# Allegro board 8880F5-0827_6.brd (continued)
## Nets (continued)
N26486548: UNK2K23.5 UNK2R50.1
N26486550: UNK2K24.3 UNK2R51.2
N26486551: UNK2K24.4 UNK2R52.1
N26486552: UNK2K24.6 UNK2R53.2
N26486553: UNK2K24.5 UNK2R54.1
N26486568: UNK2K22.3 UNK2R102.2
N26486569: UNK2K22.4 UNK2R103.1
N26486570: UNK2K27.3 UNK2R104.2
N26486571: UNK2K27.4 UNK2R105.1
N26486686: S2_RST_N.2 UNK2J1.2 UNK2K10.4 UNK2R85.2
N26486691: UNK2C7.1 UNK2J1.1
N26486726: UNK2K17.3 UNK2R71.2
N26486727: UNK2K17.4 UNK2R72.1
N26486728: UNK2K17.5 UNK2R74.1
N26486729: UNK2K17.6 UNK2R73.2
N26486730: UNK2K21.3 UNK2R75.2
N26486731: UNK2K21.4 UNK2R76.1
N26486732: UNK2K21.5 UNK2R78.1
N26486733: UNK2K21.6 UNK2R77.2
N26486734: UNK2K29.3 UNK2R79.2
N26486735: UNK2K29.4 UNK2R80.1
N26486736: UNK2K29.6 UNK2R43.2
N26486737: UNK2K29.5 UNK2R44.1
N26486738: UNK2K30.3 UNK2R63.2
N26486739: UNK2K30.4 UNK2R64.1
N26486740: UNK2K30.5 UNK2R101.1
N26486741: UNK2K30.6 UNK2R100.2
N26486822: UNK2K16.3 UNK2R67.2
N26486823: UNK2K16.4 UNK2R68.1
N26486824: UNK2K16.5 UNK2R70.1
N26486825: UNK2K16.6 UNK2R69.2
N26486847: UNK2K6.5 UNK2R30.1
N26486849: UNK2K6.3 UNK2R27.2
N26486850: UNK2K6.4 UNK2R28.1
N26486851: UNK2K6.6 UNK2R29.2
N26486852: UNK2K7.5 UNK2R34.1
N26486854: UNK2K7.3 UNK2R31.2
N26486855: UNK2K7.4 UNK2R32.1
N26486856: UNK2K7.6 UNK2R33.2
N26486898: UNK2K11.3 UNK2R39.2
N26486899: UNK2K11.4 UNK2R40.1
N26486900: UNK2K8.5 UNK2R38.1
N26486902: UNK2K8.6 UNK2R37.2
N26486903: UNK2K11.6 UNK2R41.2
N26486904: UNK2K11.5 UNK2R42.1
N26486946: UNK2K5.5 UNK2R26.1
N26486948: UNK2K5.3 UNK2R23.2
N26486949: UNK2K5.4 UNK2R24.1
N26486950: UNK2K5.6 UNK2R25.2
N26486971: UNK2K3.5 UNK2R18.1
N26486972: UNK2K3.6 UNK2R17.2
N26486973: UNK2K3.4 UNK2R16.1
N26486974: UNK2K3.3 UNK2R15.2
N26486977: UNK2K1.5 UNK2R10.1
N26486978: UNK2K1.6 UNK2R9.2
N26486979: UNK2K1.4 UNK2R8.1
N26486980: UNK2K1.3 UNK2R7.2
N26486982: UNK2K2.3 UNK2R11.2
N26486983: UNK2K2.4 UNK2R12.1
N26486984: UNK2K4.5 UNK2R22.1
N26486986: UNK2K4.3 UNK2R19.2
N26486987: UNK2K4.4 UNK2R20.1
N26486988: UNK2K4.6 UNK2R21.2
N26486989: UNK2K2.5 UNK2R14.1
N26486990: UNK2K2.6 UNK2R13.2
N26487176: UNK2K12.4 UNK2R131.1
N26487178: UNK2K12.5 UNK2R132.1
N26487182: UNK2K33.2 UNK2R82.1
N26487183: UNK2K33.4 UNK2R117.1
N26487190: UNK2K18.4 UNK2R5.1 UNK2R6.2
N26487192: UNK2K18.5 UNK2R6.1 UNK2R133.1
N26487193: UNK2C5.1 UNK2R133.2 UNK2Y1.1 UNK2Y2.1
N26487194: UNK2C6.1 UNK2R5.2 UNK2Y1.3 UNK2Y2.3
N26487223: UNK2K13.5 UNK2R120.2
N26487224: UNK2K13.4 UNK2R119.2
N26487285: UNK2J5.1 UNK2K28.5 UNK2R84.2
N26487289: UNK2J4.1 UNK2K28.4 UNK2R83.2
N26491412: UNK2J2.1 UNK2R89.1
N26491416: UNK2J3.1 UNK2R96.1
N26491418: UNK2J3.3 UNK2R93.1
N26491425: UNK2R90.1 UNK2U1.7
N26491450: UNK2J2.2 UNK2U1.3
N26491459: UNK2R97.1 UNK2U2.7
N26491486: UNK2J3.2 UNK2U2.3
N26491497: UNK2J2.3 UNK2R86.1
N26492255: UNK2CA21.1 UNK2K34.5
N26492261: UNK2CA23.1 UNK2K36.5 UNK2K36.8
N26492266: UNK2CA24.1 UNK2K37.5
N26492386: UNK2CA29.1 UNK2K42.5
N26492392: UNK2CA26.1 UNK2K39.5
N26492464: UNK2CA34.1 UNK2K31.5
N26492470: UNK2CA27.1 UNK2K40.5
N26492603: UNK2CA37.1 UNK2K39.8
N26492609: UNK2CA40.1 UNK2K42.8
N26492613: UNK2CA28.1 UNK2K40.8
N26492615: UNK2CA25.1 UNK2K37.8
N26492621: UNK2CA22.1 UNK2K34.8
N26495382: UNK3K25.3 UNK3R55.2
N26495383: UNK3K25.4 UNK3R56.1
N26495384: UNK3K25.6 UNK3R57.2
N26495385: UNK3K25.5 UNK3R58.1
N26495387: UNK3K26.3 UNK3R59.2
N26495388: UNK3K26.4 UNK3R60.1
N26495389: UNK3K26.6 UNK3R61.2
N26495390: UNK3K26.5 UNK3R62.1
N26495392: UNK3K27.5 UNK3R66.1
N26495393: UNK3K27.6 UNK3R65.2
N26495400: UNK3K22.6 UNK3R45.2
N26495401: UNK3K22.5 UNK3R46.1
N26495402: UNK3K23.3 UNK3R47.2
N26495403: UNK3K23.4 UNK3R48.1
N26495404: UNK3K23.6 UNK3R49.2
N26495405: UNK3K23.5 UNK3R50.1
N26495407: UNK3K24.3 UNK3R51.2
N26495408: UNK3K24.4 UNK3R52.1
N26495409: UNK3K24.6 UNK3R53.2
N26495410: UNK3K24.5 UNK3R54.1
N26495425: UNK3K22.3 UNK3R102.2
N26495426: UNK3K22.4 UNK3R103.1
N26495427: UNK3K27.3 UNK3R104.2
N26495428: UNK3K27.4 UNK3R105.1
N26495543: S3_RST_N.2 UNK3J1.2 UNK3K10.4 UNK3R85.2
N26495548: UNK3C7.1 UNK3J1.1
N26495583: UNK3K17.3 UNK3R71.2
N26495584: UNK3K17.4 UNK3R72.1
N26495585: UNK3K17.5 UNK3R74.1
N26495586: UNK3K17.6 UNK3R73.2
N26495587: UNK3K21.3 UNK3R75.2
N26495588: UNK3K21.4 UNK3R76.1
N26495589: UNK3K21.5 UNK3R78.1
N26495590: UNK3K21.6 UNK3R77.2
N26495591: UNK3K29.3 UNK3R79.2
N26495592: UNK3K29.4 UNK3R80.1
N26495593: UNK3K29.6 UNK3R43.2
N26495594: UNK3K29.5 UNK3R44.1
N26495595: UNK3K30.3 UNK3R63.2
N26495596: UNK3K30.4 UNK3R64.1
N26495597: UNK3K30.5 UNK3R101.1
N26495598: UNK3K30.6 UNK3R100.2
N26495679: UNK3K16.3 UNK3R67.2
N26495680: UNK3K16.4 UNK3R68.1
N26495681: UNK3K16.5 UNK3R70.1
N26495682: UNK3K16.6 UNK3R69.2
N26495704: UNK3K6.5 UNK3R30.1
N26495706: UNK3K6.3 UNK3R27.2
N26495707: UNK3K6.4 UNK3R28.1
N26495708: UNK3K6.6 UNK3R29.2
N26495709: UNK3K7.5 UNK3R34.1
N26495711: UNK3K7.3 UNK3R31.2
N26495712: UNK3K7.4 UNK3R32.1
N26495713: UNK3K7.6 UNK3R33.2
N26495755: UNK3K11.3 UNK3R39.2
N26495756: UNK3K11.4 UNK3R40.1
N26495757: UNK3K8.5 UNK3R38.1
N26495759: UNK3K8.6 UNK3R37.2
N26495760: UNK3K11.6 UNK3R41.2
N26495761: UNK3K11.5 UNK3R42.1
N26495803: UNK3K5.5 UNK3R26.1
N26495805: UNK3K5.3 UNK3R23.2
N26495806: UNK3K5.4 UNK3R24.1
N26495807: UNK3K5.6 UNK3R25.2
N26495828: UNK3K3.5 UNK3R18.1
N26495829: UNK3K3.6 UNK3R17.2
N26495830: UNK3K3.4 UNK3R16.1
N26495831: UNK3K3.3 UNK3R15.2
N26495834: UNK3K1.5 UNK3R10.1
N26495835: UNK3K1.6 UNK3R9.2
N26495836: UNK3K1.4 UNK3R8.1
N26495837: UNK3K1.3 UNK3R7.2
N26495839: UNK3K2.3 UNK3R11.2
N26495840: UNK3K2.4 UNK3R12.1
N26495841: UNK3K4.5 UNK3R22.1
N26495843: UNK3K4.3 UNK3R19.2
N26495844: UNK3K4.4 UNK3R20.1
N26495845: UNK3K4.6 UNK3R21.2
N26495846: UNK3K2.5 UNK3R14.1
N26495847: UNK3K2.6 UNK3R13.2
N26496033: UNK3K12.4 UNK3R131.1
N26496035: UNK3K12.5 UNK3R132.1
N26496039: UNK3K33.2 UNK3R82.1
N26496040: UNK3K33.4 UNK3R117.1
N26496047: UNK3K18.4 UNK3R5.1 UNK3R6.2
N26496049: UNK3K18.5 UNK3R6.1 UNK3R133.1
N26496050: UNK3C5.1 UNK3R133.2 UNK3Y1.1 UNK3Y2.1
N26496051: UNK3C6.1 UNK3R5.2 UNK3Y1.3 UNK3Y2.3
N26496080: UNK3K13.5 UNK3R120.2
N26496081: UNK3K13.4 UNK3R119.2
N26496142: UNK3J5.1 UNK3K28.5 UNK3R84.2
N26496146: UNK3J4.1 UNK3K28.4 UNK3R83.2
N26500269: UNK3J2.1 UNK3R89.1
N26500273: UNK3J3.1 UNK3R96.1
N26500275: UNK3J3.3 UNK3R93.1
N26500282: UNK3R90.1 UNK3U1.7
N26500307: UNK3J2.2 UNK3U1.3
N26500316: UNK3R97.1 UNK3U2.7
N26500343: UNK3J3.2 UNK3U2.3
N26500354: UNK3J2.3 UNK3R86.1
N26501112: UNK3CA21.1 UNK3K34.5
N26501118: UNK3CA23.1 UNK3K36.5 UNK3K36.8
N26501123: UNK3CA24.1 UNK3K37.5
N26501243: UNK3CA29.1 UNK3K42.5
N26501249: UNK3CA26.1 UNK3K39.5
N26501321: UNK3CA34.1 UNK3K31.5
N26501327: UNK3CA27.1 UNK3K40.5
N26501460: UNK3CA37.1 UNK3K39.8
N26501466: UNK3CA40.1 UNK3K42.8
N26501470: UNK3CA28.1 UNK3K40.8
N26501472: UNK3CA25.1 UNK3K37.8
N26501478: UNK3CA22.1 UNK3K34.8
N26504239: UNK4K25.3 UNK4R55.2
N26504240: UNK4K25.4 UNK4R56.1
N26504241: UNK4K25.6 UNK4R57.2
N26504242: UNK4K25.5 UNK4R58.1
N26504244: UNK4K26.3 UNK4R59.2
N26504245: UNK4K26.4 UNK4R60.1
N26504246: UNK4K26.6 UNK4R61.2
N26504247: UNK4K26.5 UNK4R62.1
N26504249: UNK4K27.5 UNK4R66.1
N26504250: UNK4K27.6 UNK4R65.2
N26504257: UNK4K22.6 UNK4R45.2
N26504258: UNK4K22.5 UNK4R46.1
N26504259: UNK4K23.3 UNK4R47.2
N26504260: UNK4K23.4 UNK4R48.1
N26504261: UNK4K23.6 UNK4R49.2
N26504262: UNK4K23.5 UNK4R50.1
N26504264: UNK4K24.3 UNK4R51.2
N26504265: UNK4K24.4 UNK4R52.1
N26504266: UNK4K24.6 UNK4R53.2
N26504267: UNK4K24.5 UNK4R54.1
N26504282: UNK4K22.3 UNK4R102.2
N26504283: UNK4K22.4 UNK4R103.1
N26504284: UNK4K27.3 UNK4R104.2
N26504285: UNK4K27.4 UNK4R105.1
N26504400: S4_RST_N.2 UNK4J1.2 UNK4K10.4 UNK4R85.2
N26504405: UNK4C7.1 UNK4J1.1
N26504440: UNK4K17.3 UNK4R71.2
N26504441: UNK4K17.4 UNK4R72.1
N26504442: UNK4K17.5 UNK4R74.1
N26504443: UNK4K17.6 UNK4R73.2
N26504444: UNK4K21.3 UNK4R75.2
N26504445: UNK4K21.4 UNK4R76.1
N26504446: UNK4K21.5 UNK4R78.1
N26504447: UNK4K21.6 UNK4R77.2
N26504448: UNK4K29.3 UNK4R79.2
N26504449: UNK4K29.4 UNK4R80.1
N26504450: UNK4K29.6 UNK4R43.2
N26504451: UNK4K29.5 UNK4R44.1
N26504452: UNK4K30.3 UNK4R63.2
N26504453: UNK4K30.4 UNK4R64.1
N26504454: UNK4K30.5 UNK4R101.1
N26504455: UNK4K30.6 UNK4R100.2
N26504536: UNK4K16.3 UNK4R67.2
N26504537: UNK4K16.4 UNK4R68.1
N26504538: UNK4K16.5 UNK4R70.1
N26504539: UNK4K16.6 UNK4R69.2
N26504561: UNK4K6.5 UNK4R30.1
N26504563: UNK4K6.3 UNK4R27.2
N26504564: UNK4K6.4 UNK4R28.1
N26504565: UNK4K6.6 UNK4R29.2
N26504566: UNK4K7.5 UNK4R34.1
N26504568: UNK4K7.3 UNK4R31.2
N26504569: UNK4K7.4 UNK4R32.1
N26504570: UNK4K7.6 UNK4R33.2
N26504612: UNK4K11.3 UNK4R39.2
N26504613: UNK4K11.4 UNK4R40.1
N26504614: UNK4K8.5 UNK4R38.1
N26504616: UNK4K8.6 UNK4R37.2
N26504617: UNK4K11.6 UNK4R41.2
N26504618: UNK4K11.5 UNK4R42.1
N26504660: UNK4K5.5 UNK4R26.1
N26504662: UNK4K5.3 UNK4R23.2
N26504663: UNK4K5.4 UNK4R24.1
N26504664: UNK4K5.6 UNK4R25.2
N26504685: UNK4K3.5 UNK4R18.1
N26504686: UNK4K3.6 UNK4R17.2
N26504687: UNK4K3.4 UNK4R16.1
N26504688: UNK4K3.3 UNK4R15.2
N26504691: UNK4K1.5 UNK4R10.1
N26504692: UNK4K1.6 UNK4R9.2
N26504693: UNK4K1.4 UNK4R8.1
N26504694: UNK4K1.3 UNK4R7.2
N26504696: UNK4K2.3 UNK4R11.2
N26504697: UNK4K2.4 UNK4R12.1
N26504698: UNK4K4.5 UNK4R22.1
N26504700: UNK4K4.3 UNK4R19.2
N26504701: UNK4K4.4 UNK4R20.1
N26504702: UNK4K4.6 UNK4R21.2
N26504703: UNK4K2.5 UNK4R14.1
N26504704: UNK4K2.6 UNK4R13.2
N26504890: UNK4K12.4 UNK4R131.1
N26504892: UNK4K12.5 UNK4R132.1
N26504896: UNK4K33.2 UNK4R82.1
N26504897: UNK4K33.4 UNK4R117.1
N26504904: UNK4K18.4 UNK4R5.1 UNK4R6.2
N26504906: UNK4K18.5 UNK4R6.1 UNK4R133.1
N26504907: UNK4C5.1 UNK4R133.2 UNK4Y1.1 UNK4Y2.1
N26504908: UNK4C6.1 UNK4R5.2 UNK4Y1.3 UNK4Y2.3
N26504937: UNK4K13.5 UNK4R120.2
N26504938: UNK4K13.4 UNK4R119.2
N26504999: UNK4J5.1 UNK4K28.5 UNK4R84.2
N26505003: UNK4J4.1 UNK4K28.4 UNK4R83.2
N26509126: UNK4J2.1 UNK4R89.1
N26509130: UNK4J3.1 UNK4R96.1
N26509132: UNK4J3.3 UNK4R93.1
N26509139: UNK4R90.1 UNK4U1.7
N26509164: UNK4J2.2 UNK4U1.3
N26509173: UNK4R97.1 UNK4U2.7
N26509200: UNK4J3.2 UNK4U2.3
N26509211: UNK4J2.3 UNK4R86.1
N26509969: UNK4CA21.1 UNK4K34.5
N26509975: UNK4CA23.1 UNK4K36.5 UNK4K36.8
N26509980: UNK4CA24.1 UNK4K37.5
N26510100: UNK4CA29.1 UNK4K42.5
N26510106: UNK4CA26.1 UNK4K39.5
N26510178: UNK4CA34.1 UNK4K31.5
N26510184: UNK4CA27.1 UNK4K40.5
N26510317: UNK4CA37.1 UNK4K39.8
N26510323: UNK4CA40.1 UNK4K42.8
N26510327: UNK4CA28.1 UNK4K40.8
N26510329: UNK4CA25.1 UNK4K37.8
N26510335: UNK4CA22.1 UNK4K34.8

Pads without a net: CSDPS225 A17 B17 C17 D17; CSDPS229 A17 B17 C17 D17; CSDPS425 A17 B17 C17 D17; CSDPS429 A17 B17 C17 D17; D101/D501 A1 A2 A3 A4 A5 A6 A7 A8 A9 A10 A11 A12 A13 A14 A15 A16 A17 B1 B2 B3 B4 B5 B6 B7 B8 B9 B10 B11 B12 B13 B14 B15 B16 B17 C1 C2 C3 C4 C5 C6 C7 C8 C9 C10 C11 C12 C13 C14 C15 C16 C17 D2 D3 D4 D5 D6 D7 D8 D9 D10 D11 D12 D13 D14 D15 D16; D102 17 A17 B17; D103 17 A17 B17; D104 17 A17 B17; D105/D505 A1 A2 A3 A4 A5 A6 A7 A8 A9 A10 A11 A12 A13 A14 A15 A16 A17 B1 B2 B3 B4 B5 B6 B7 B8 B9 B10 B11 B12 B13 B14 B15 B16 B17 C1 C2 C3 C4 C5 C6 C7 C8 C9 C10 C11 C12 C13 C14 C15 C16 C17 D2 D3 D4 D5 D6 D7 D8 D9 D10 D11 D12 D13 D14 D15 D16; D106 17 A17 B17; D107 17 A17 B17; D108 17 A17 B17; D109 17 A17 B17; D110 17 A17 B17; D111 17 A17 B17; D112 17 A17 B17; D113 17 A17 B17; D114 17 A17 B17; D115 17 A17 B17; D116 17 A17 B17; D117/D517 A1 A2 A3 A4 A5 A6 A7 A8 A9 A10 A11 A12 A13 A14 A15 A16 A17 B1 B2 B3 B4 B5 B6 B7 B8 B9 B10 B11 B12 B13 B14 B15 B16 B17 C1 C2 C3 C4 C5 C6 C7 C8 C9 C10 C11 C12 C13 C14 C15 C16 C17 D2 D3 D4 D5 D6 D7 D8 D9 D10 D11 D12 D13 D14 D15 D16; D118 17 A17 B17; D119 17 A17 B17; D120 17 A17 B17; D121/D521 A1 A2 A3 A4 A5 A6 A7 A8 A9 A10 A11 A12 A13 A14 A15 A16 A17 B1 B2 B3 B4 B5 B6 B7 B8 B9 B10 B11 B12 B13 B14 B15 B16 B17 C1 C2 C3 C4 C5 C6 C7 C8 C9 C10 C11 C12 C13 C14 C15 C16 C17 D2 D3 D4 D5 D6 D7 D8 D9 D10 D11 D12 D13 D14 D15 D16; D122 17 A17 B17; D123 17 A17 B17; D124 17 A17 B17; D125 17 A17 B17; D126 17 A17 B17; D127 17 A17 B17; D128 17 A17 B17; D129 17 A17 B17; D130 17 A17 B17; D131 17 A17 B17; D132 17 A17 B17; D301 17 A17 B17; D302 17 A17 B17; D305 17 A17 B17; D306 17 A17 B17; D309 A1 A3 A5 A7 A9 A11 A13 A15 A17 B1 B2 B3 B4 B5 B6 B7 B8 B9 B10 B11 B12 B13 B14 B15 B16 B17 C1 C2 C3 C4 C5 C6 C7 C8 C9 C10 C11 C12 C13 C14 C15 C16 C17 D2 D4 D6 D8 D10 D12 D14 D16; D313 A1 A3 A5 A7 A9 A11 A13 A15 A17 B1 B2 B3 B4 B5 B6 B7 B8 B9 B10 B11 B12 B13 B14 B15 B16 B17 C1 C2 C3 C4 C5 C6 C7 C8 C9 C10 C11 C12 C13 C14 C15 C16 C17 D2 D4 D6 D8 D10 D12 D14 D16; D317 17 A17 B17; D318 17 A17 B17; D321 17 A17 B17; D322 17 A17 B17; DPS1 A04 A08 A10 A14 B04 B08 B10 B14 C04 C08 C10 C14; DPS2 A04 A08 A10 A14 B04 B08 B10 B14 C04 C08 C10 C14; DPS3 A04 A08 A10 A14 B04 B08 B10 B14 C04 C08 C10 C14; DPS8 A04 A08 A10 A14 B04 B08 B10 B14 C04 C08 C10 C14; FD1 1; FD2 1; FD3 1; FD4 1; FD5 1; FD6 1; FD7 1; FD8 1; FD9 1; FD10 1; FD11 1; FD12 1; FD13 1; FD14 1; FD15 1; FD16 1; HX8880-F05 1; JG_220919AA01 1; JG_220919AA02 1; K1 2 7; K2 2 7; K3 2 7; K4 2 7; K5 2 7; K6 2 7; K7 2 7; K8 2 3 4 7; K10 2 5 6 7; K11 2 7; K12 2 7; K13 2 7; K16 2 7; K17 2 7; K21 2 7; K22 2 7; K23 2 7; K24 2 7; K25 2 7; K26 2 7; K27 2 7; K28 2 7; K29 2 7; K30 2 7; K31 3 8 9 10; K33 5 6 7; K34 3 10; K36 3 10; K37 3 10; K39 3 10; K40 3 10; K42 3 10; LOGO1 1; LOGO2 1; LQFP176-20X20-P0.4 1; S1_I2C 3; S2_I2C 3; S3_I2C 3; S4_I2C 3; SITE1 NUT1 NUT2 NUT3 NUT4; SITE2 NUT1 NUT2 NUT3 NUT4; SITE3 NUT1 NUT2 NUT3 NUT4; SITE4 NUT1 NUT2 NUT3 NUT4; SKB NUT1 NUT2 NUT3 NUT4; TPL1 1; TPL2 1; TPL3 1; TPL4 1; TPL5 1; TPL6 1; TPL7 1; TPL8 1; TPL9 1; TPL10 1; TPL11 1; TPL12 1; TPL13 1; TPL14 1; TPL15 1; TPL16 1; TPL17 1; TPL18 1; TPL19 1; TPL20 1; TPL21 1; TPL22 1; TPL23 1; TPL24 1; TPL25 1; TPL26 1; TPL27 1; TPL28 1; TPL29 1; TPL30 1; TPL31 1; TPL32 1; TPL33 1; TPL34 1; TPL35 1; TPL36 1; TPL37 1; TPL38 1; TPL39 1; TPL40 1; UF1 1; UF2 1; UNK2K1 2 7; UNK2K2 2 7; UNK2K3 2 7; UNK2K4 2 7; UNK2K5 2 7; UNK2K6 2 7; UNK2K7 2 7; UNK2K8 2 3 4 7; UNK2K10 2 5 6 7; UNK2K11 2 7; UNK2K12 2 7; UNK2K13 2 7; UNK2K16 2 7; UNK2K17 2 7; UNK2K21 2 7; UNK2K22 2 7; UNK2K23 2 7; UNK2K24 2 7; UNK2K25 2 7; UNK2K26 2 7; UNK2K27 2 7; UNK2K28 2 7; UNK2K29 2 7; UNK2K30 2 7; UNK2K31 3 8 9 10; UNK2K33 5 6 7; UNK2K34 3 10; UNK2K36 3 10; UNK2K37 3 10; UNK2K39 3 10; UNK2K40 3 10; UNK2K42 3 10; UNK2UF1 1; UNK2UF2 1; UNK3K1 2 7; UNK3K2 2 7; UNK3K3 2 7; UNK3K4 2 7; UNK3K5 2 7; UNK3K6 2 7; UNK3K7 2 7; UNK3K8 2 3 4 7; UNK3K10 2 5 6 7; UNK3K11 2 7; UNK3K12 2 7; UNK3K13 2 7; UNK3K16 2 7; UNK3K17 2 7; UNK3K21 2 7; UNK3K22 2 7; UNK3K23 2 7; UNK3K24 2 7; UNK3K25 2 7; UNK3K26 2 7; UNK3K27 2 7; UNK3K28 2 7; UNK3K29 2 7; UNK3K30 2 7; UNK3K31 3 8 9 10; UNK3K33 5 6 7; UNK3K34 3 10; UNK3K36 3 10; UNK3K37 3 10; UNK3K39 3 10; UNK3K40 3 10; UNK3K42 3 10; UNK3UF1 1; UNK3UF2 1; UNK4K1 2 7; UNK4K2 2 7; UNK4K3 2 7; UNK4K4 2 7; UNK4K5 2 7; UNK4K6 2 7; UNK4K7 2 7; UNK4K8 2 3 4 7; UNK4K10 2 5 6 7; UNK4K11 2 7; UNK4K12 2 7; UNK4K13 2 7; UNK4K16 2 7; UNK4K17 2 7; UNK4K21 2 7; UNK4K22 2 7; UNK4K23 2 7; UNK4K24 2 7; UNK4K25 2 7; UNK4K26 2 7; UNK4K27 2 7; UNK4K28 2 7; UNK4K29 2 7; UNK4K30 2 7; UNK4K31 3 8 9 10; UNK4K33 5 6 7; UNK4K34 3 10; UNK4K36 3 10; UNK4K37 3 10; UNK4K39 3 10; UNK4K40 3 10; UNK4K42 3 10; UNK4UF1 1; UNK4UF2 1; UNK038HX-8880F5K4Q-A100 1; UNK980HX-8880F5-KBG- 1; UTL1 A17 B17; UTL2 A17 B17; UTL3 A17 B17; UTL4 A17 B17; UTL5 A17 B17; UTL6 A17 B17; UTL7 A17 B17; UTL8 A17 B17

## Via types
v1: diameter 0.559, hole 0.305, TOP to BOTTOM, 7575 vias
v2: diameter 0.508, hole 0.305, TOP to BOTTOM, 8 vias

## Routing (per net, layer and track width the routed paths; a pad name or vN(x,y) marks a point on that pad's centre or on a via; arc(x,y) is an arc through that point)
GND: length 19117.5
  TOP w0.119: SITE2.108 331.83,253.63 UNK2CC42.2 ; SITE4.108 331.83,193.63 UNK4CC42.2 ; UNK3CC42.2 251.83,193.63 SITE3.108 ; CC42.2 251.83,253.63 SITE1.108
  TOP w0.231: v1(254.76,175.23) 255.03,175.23 255.43,174.83 SITE3.34 ; v1(332.36,235.23) 332.63,235.23 333.03,234.83 SITE2.28 ; SITE4.23 331.03,175.16 v1(330.96,175.23) ; SITE4.34 335.43,174.83 335.03,175.23 v1(334.76,175.23) ; v1(243.63,175.36) 243.63,175.23 243.43,175.03 SITE3.4 ; v1(254.76,235.23) 255.03,235.23 255.43,234.83 SITE1.34 ; SITE3.128 243.83,194.39 243.47,194.03 v1(243.23,194.03) ; SITE2.34 335.43,234.83 335.03,235.23 v1(334.76,235.23) ; v1(256.36,235.23) 256.63,235.23 257.03,234.83 SITE1.38 ; SITE3.62 v1(260.23,182.83) ; SITE4.4 323.43,175.03 323.63,175.23 v1(323.63,175.36) ; v1(256.36,175.23) 256.63,175.23 257.03,174.83 SITE3.38 ; v1(243.63,235.36) 243.63,235.23 243.43,235.03 SITE1.4 ; v1(323.23,194.03) 323.47,194.03 323.83,194.39 SITE4.128 ; v1(241.43,187.43) 241.43,187.67 241.07,188.03 SITE3.146 ; SITE2.4 323.43,235.03 323.63,235.23 v1(323.63,235.36) ; SITE1.28 253.03,234.83 252.63,235.23 v1(252.36,235.23) ; SITE2.146 321.07,248.03 321.43,247.67 v1(321.43,247.43) ; v1(330.96,235.23) 331.03,235.16 SITE2.23 ; SITE4.28 333.03,174.83 332.63,175.23 v1(332.36,175.23) ; SITE4.62 v1(340.23,182.83) ; v1(321.43,187.43) 321.43,187.67 321.07,188.03 SITE4.146 ; SITE1.23 251.03,235.16 v1(250.96,235.23) ; SITE1.62 v1(260.23,242.83) ; SITE2.128 323.83,254.39 323.47,254.03 v1(323.23,254.03) ; v1(241.43,247.43) 241.43,247.67 241.07,248.03 SITE1.146 ; SITE4.38 337.03,174.83 336.63,175.23 v1(336.36,175.23) ; SITE3.28 253.03,174.83 252.63,175.23 v1(252.36,175.23) ; SITE1.128 243.83,254.39 243.47,254.03 v1(243.23,254.03) ; SITE2.38 337.03,234.83 336.63,235.23 v1(336.36,235.23) ; SITE3.23 251.03,175.16 v1(250.96,175.23) ; SITE2.62 v1(340.23,242.83)
  TOP w0.381: v1(272.24,242.64) CD7.2 ; v1(230.42,246.66) CD6.2 ; v1(339.65,265.56) UNK2CD11.2 ; v1(310.42,246.66) UNK2CD6.2 ; v1(336.77,164.73) UNK4CD9.2 ; v1(251.06,164.73) UNK3CD8.2 ; v1(237.98,224.73) CD1.2 ; v1(331.94,265.56) UNK2CD18.2 ; v1(272.24,183.91) UNK3CD20.2 ; v1(254.61,205.56) UNK3CD4.2 ; v1(310.42,247.93) UNK2CD17.2 ; v1(352.24,182.64) UNK4CD7.2 ; v1(230.42,187.93) UNK3CD17.2 ; v1(250.17,224.73) CD23.2 ; UNK4CD5.2 v1(343.63,164.73) ; v1(352.24,245.18) UNK2CD15.2 ; v1(251.05,205.56) UNK3CD14.2 ; CD21.2 v1(262.36,224.73) ; v1(352.24,189.5) UNK4CD10.2 ; CD5.2 v1(263.63,224.73) ; v1(310.42,249.2) UNK2CD25.2 ; v1(352.24,243.91) UNK2CD20.2 ; v1(352.24,185.18) UNK4CD15.2 ; v1(331.06,224.73) UNK2CD8.2 ; v1(339.65,205.56) UNK4CD11.2 ; v1(352.24,241.37) UNK2CD3.2 ; v1(330.17,164.73) UNK4CD23.2 ; v1(230.42,189.2) UNK3CD25.2 ; v1(272.24,245.18) CD15.2 ; v1(256.77,164.73) UNK3CD9.2 ; v1(272.24,243.91) CD20.2 ; v1(252.83,265.56) CD13.2 ; v1(259.65,265.56) CD11.2 ; v1(310.42,193.69) UNK4CD12.2 ; v1(310.42,183.41) UNK4CD19.2 ; v1(230.42,253.69) CD12.2 ; v1(272.24,241.37) CD3.2 ; v1(310.42,186.66) UNK4CD6.2 ; v1(332.83,205.56) UNK4CD13.2 ; v1(310.42,243.41) UNK2CD19.2 ; v1(230.42,193.69) UNK3CD12.2 ; v1(259.65,205.56) UNK3CD11.2 ; v1(252.83,205.56) UNK3CD13.2 ; v1(272.24,249.5) CD10.2 ; v1(327.57,265.56) UNK2CD24.2 ; v1(317.98,224.73) UNK2CD1.2 ; v1(336.77,224.73) UNK2CD9.2 ; v1(331.94,205.56) UNK4CD18.2 ; v1(352.24,242.64) UNK2CD7.2 ; v1(251.94,205.56) UNK3CD18.2 ; v1(251.94,265.56) CD18.2 ; v1(310.42,187.93) UNK4CD17.2 ; v1(272.24,189.5) UNK3CD10.2 ; v1(333.72,205.56) UNK4CD16.2 ; v1(352.24,249.5) UNK2CD10.2 ; v1(317.98,164.73) UNK4CD1.2 ; UNK3CD5.2 v1(263.63,164.73) ; v1(254.61,265.56) CD4.2 ; v1(230.42,183.41) UNK3CD19.2 ; v1(249.28,224.73) CD22.2 ; v1(272.24,182.64) UNK3CD7.2 ; v1(230.42,243.41) CD19.2 ; v1(249.28,164.73) UNK3CD22.2 ; v1(251.05,265.56) CD14.2 ; v1(230.42,186.66) UNK3CD6.2 ; v1(251.06,224.73) CD8.2 ; v1(331.06,164.73) UNK4CD8.2 ; v1(352.24,183.91) UNK4CD20.2 ; v1(330.17,224.73) UNK2CD23.2 ; v1(250.17,164.73) UNK3CD23.2 ; UNK3CD21.2 v1(262.36,164.73) ; v1(256.77,224.73) CD9.2 ; v1(272.24,181.37) UNK3CD3.2 ; v1(333.72,265.56) UNK2CD16.2 ; v1(310.42,253.69) UNK2CD12.2 ; UNK2CD21.2 v1(342.36,224.73) ; UNK2CD5.2 v1(343.63,224.73) ; v1(253.72,205.56) UNK3CD16.2 ; v1(327.57,205.56) UNK4CD24.2 ; v1(352.24,181.37) UNK4CD3.2 ; v1(332.83,265.56) UNK2CD13.2 ; v1(230.42,247.93) CD17.2 ; v1(334.61,265.56) UNK2CD4.2 ; v1(310.42,189.2) UNK4CD25.2 ; v1(247.57,265.56) CD24.2 ; v1(253.72,265.56) CD16.2 ; v1(331.05,265.56) UNK2CD14.2 ; v1(230.42,249.2) CD25.2 ; v1(237.98,164.73) UNK3CD1.2 ; v1(329.28,224.73) UNK2CD22.2 ; v1(331.05,205.56) UNK4CD14.2 ; v1(329.28,164.73) UNK4CD22.2 ; v1(334.61,205.56) UNK4CD4.2 ; UNK4CD21.2 v1(342.36,164.73) ; v1(247.57,205.56) UNK3CD24.2 ; v1(272.24,185.18) UNK3CD15.2
  L03_SIGNAL w0.074: 329.85,181.33 SITE4.G3 ; SITE4.G3 330.33,180.85 ; SITE4.G3 330.33,181.81 ; SITE4.G3 330.81,181.33 ; D301.A15 342.9,84.53 ; D301.A15 342.9,83.11 ; D301.A15 343.61,83.82 ; D301.A15 342.19,83.82 ; D231.A3 195.58,376.73 ; D231.A3 194.77,375.92 ; D231.A3 195.58,375.11 ; D231.A3 196.39,375.92 ; D102.B10 331.01,81.28 ; D102.B10 330.2,82.09 ; D102.B10 330.2,80.47 ; D102.B10 329.39,81.28 ; CSDPS429.C7 185.42,341.17 ; CSDPS429.C7 186.23,340.36 ; CSDPS429.C7 184.61,340.36 ; CSDPS429.C7 185.42,339.55 ; D124.A4 241.3,36.37 ; D124.A4 241.3,34.75 ; D124.A4 242.11,35.56 ; D124.A4 240.49,35.56 ; D102.A15 343.71,73.66 ; D102.A15 342.9,72.85 ; D102.A15 342.9,74.47 ; D102.A15 342.09,73.66 ; 330.95,242.83 SITE2.G15 ; SITE2.G15 331.43,243.31 ; SITE2.G15 331.91,242.83 ; SITE2.G15 331.43,242.35 ; 259.08,72.85 D122.A11 ; D122.A11 259.89,73.66 ; D122.A11 258.27,73.66 ; D122.A11 259.08,74.47 ; D120.B4 167.64,41.45 ; D120.B4 168.45,40.64 ; D120.B4 167.64,39.83 ; D120.B4 166.83,40.64 ; 411.48,57.61 D107.B13 ; D107.B13 411.48,59.23 ; D107.B13 410.67,58.42 ; D107.B13 412.29,58.42 ; 238.76,88.19 D321.B3 ; D321.B3 239.47,88.9 ; D321.B3 238.05,88.9 ; D321.B3 238.76,89.61 ; D130.A12 115.11,76.2 ; D130.A12 114.3,75.39 ; D130.A12 113.49,76.2 ; D130.A12 114.3,77.01 ; 37.29,73.66 D126.A11 ; D126.A11 38.91,73.66 ; D126.A11 38.1,72.85 ; D126.A11 38.1,74.47 ; 347.98,329.39 D113.B1 ; D113.B1 348.79,330.2 ; D113.B1 347.98,331.01 ; D113.B1 347.17,330.2 ; 309.17,91.44 D301.B2 ; D301.B2 309.88,92.15 ; D301.B2 309.88,90.73 ; D301.B2 310.59,91.44 ; 86.36,98.25 D129.B1 ; D129.B1 86.36,99.87 ; D129.B1 87.17,99.06 ; D129.B1 85.55,99.06 ; 253.29,63.5 D322.A9 ; D322.A9 254.71,63.5 ; D322.A9 254,64.21 ; D322.A9 254,62.79 ; D124.A12 262.43,35.56 ; D124.A12 261.62,36.37 ; D124.A12 261.62,34.75 ; D124.A12 260.81,35.56 ; 49.99,35.56 D128.A16 ; D128.A16 50.8,34.75 ; D128.A16 50.8,36.37 ; D128.A16 51.61,35.56 ; D122.B1 233.68,79.55 ; D122.B1 234.49,78.74 ; D122.B1 233.68,77.93 ; D122.B1 232.87,78.74 ; 414.02,367.49 D111.B4 ; D111.B4 414.02,369.11 ; D111.B4 414.83,368.3 ; D111.B4 413.21,368.3 ; D103.B10 331.01,60.96 ; D103.B10 330.2,60.15 ; D103.B10 329.39,60.96 ; D103.B10 330.2,61.77 ; D130.B13 117.65,78.74 ; D130.B13 116.84,79.55 ; D130.B13 116.03,78.74 ; D130.B13 116.84,77.93 ; D103.B6 320.04,61.77 ; D103.B6 319.23,60.96 ; D103.B6 320.85,60.96 ; D103.B6 320.04,60.15 ; 180.34,62.79 D318.A9 ; D318.A9 181.05,63.5 ; D318.A9 179.63,63.5 ; D318.A9 180.34,64.21 ; 179.53,53.34 D119.A9 ; D119.A9 180.34,52.53 ; D119.A9 181.15,53.34 ; D119.A9 180.34,54.15 ; 121.11,73.66 D130.A15 ; D130.A15 121.92,74.47 ; D130.A15 122.73,73.66 ; D130.A15 121.92,72.85 ; 339.55,347.98 D114.B4 ; D114.B4 340.36,347.17 ; D114.B4 341.17,347.98 ; D114.B4 340.36,348.79 ; D301.A1 307.34,84.53 ; D301.A1 307.34,83.11 ; D301.A1 308.05,83.82 ; D301.A1 306.63,83.82 ; D123.A1 233.68,54.15 ; D123.A1 233.68,52.53 ; D123.A1 234.49,53.34 ; D123.A1 232.87,53.34 ; D123.A13 264.16,54.15 ; D123.A13 263.35,53.34 ; D123.A13 264.97,53.34 ; D123.A13 264.16,52.53 ; D124.A13 264.16,33.83 ; D124.A13 264.16,32.21 ; D124.A13 264.97,33.02 ; D124.A13 263.35,33.02 ; SITE3.G19 251.43,186.91 ; SITE3.G19 250.95,186.43 ; SITE3.G19 251.43,185.95 ; SITE3.G19 251.91,186.43 ; 420.83,396.24 D112.A1 ; D112.A1 422.45,396.24 ; D112.A1 421.64,395.43 ; D112.A1 421.64,397.05 ; 388.62,352.25 D110.A14 ; D110.A14 389.43,353.06 ; D110.A14 387.81,353.06 ; D110.A14 388.62,353.87 ; D132.B3 91.44,38.91 ; D132.B3 92.25,38.1 ; D132.B3 90.63,38.1 ; D132.B3 91.44,37.29 ; 165.1,52.53 D119.A3 ; D119.A3 164.29,53.34 ; D119.A3 165.91,53.34 ; D119.A3 165.1,54.15 ; D318.A2 162.56,66.75 ; D318.A2 162.56,65.33 ; D318.A2 161.85,66.04 ; D318.A2 163.27,66.04 ; D130.A8 104.95,76.2 ; D130.A8 104.14,77.01 ; D130.A8 103.33,76.2 ; D130.A8 104.14,75.39 ; 193.04,85.65 D317.A14 ; D317.A14 193.75,86.36 ; D317.A14 192.33,86.36 ; D317.A14 193.04,87.07 ; 159.31,83.82 D317.A1 ; D317.A1 160.02,84.53 ; D317.A1 160.02,83.11 ; D317.A1 160.73,83.82 ; 411.48,52.53 D107.A13 ; D107.A13 410.67,53.34 ; D107.A13 412.29,53.34 ; D107.A13 411.48,54.15 ; 20.32,39.83 D128.B4 ; D128.B4 19.51,40.64 ; D128.B4 20.32,41.45 ; D128.B4 21.13,40.64 ; 235.41,35.56 D124.A2 ; D124.A2 236.22,36.37 ; D124.A2 236.22,34.75 ; D124.A2 237.03,35.56 ; 118.57,40.64 D132.B14 ; D132.B14 119.38,41.45 ; D132.B14 119.38,39.83 ; D132.B14 120.19,40.64 ; D231.A10 177.8,374.19 ; D231.A10 178.61,373.38 ; D231.A10 176.99,373.38 ; D231.A10 177.8,372.57 ; 329.49,86.36 D301.A10 ; D301.A10 330.2,87.07 ; D301.A10 330.2,85.65 ; D301.A10 330.91,86.36 ; D122.A2 237.03,76.2 ; D122.A2 235.41,76.2 ; D122.A2 236.22,77.01 ; D122.A2 236.22,75.39 ; 160.02,62.79 D318.A1 ; D318.A1 159.31,63.5 ; D318.A1 160.02,64.21 ; D318.A1 160.73,63.5 ; D119.A2 162.56,56.69 ; D119.A2 162.56,55.07 ; D119.A2 163.37,55.88 ; D119.A2 161.75,55.88 ; D302.A6 320.04,66.75 ; D302.A6 319.33,66.04 ; D302.A6 320.04,65.33 ; D302.A6 320.75,66.04 ; CSDPS429.C9 181.15,340.36 ; CSDPS429.C9 179.53,340.36 ; CSDPS429.C9 180.34,339.55 ; CSDPS429.C9 180.34,341.17 ; D317.B14 193.75,91.44 ; D317.B14 193.04,90.73 ; D317.B14 192.33,91.44 ; D317.B14 193.04,92.15 ; D130.B5 97.33,78.74 ; D130.B5 95.71,78.74 ; D130.B5 96.52,79.55 ; D130.B5 96.52,77.93 ; 337.01,73.66 D102.A13 ; D102.A13 338.63,73.66 ; D102.A13 337.82,72.85 ; D102.A13 337.82,74.47 ; D120.B5 170.18,38.91 ; D120.B5 170.99,38.1 ; D120.B5 169.37,38.1 ; D120.B5 170.18,37.29 ; 187.15,342.9 CSDPS429.B6 ; CSDPS429.B6 188.77,342.9 ; CSDPS429.B6 187.96,343.71 ; CSDPS429.B6 187.96,342.09 ; D317.B4 167.64,92.15 ; D317.B4 166.93,91.44 ; D317.B4 168.35,91.44 ; D317.B4 167.64,90.73 ; 98.25,55.88 D131.A6 ; D131.A6 99.06,55.07 ; D131.A6 99.06,56.69 ; D131.A6 99.87,55.88 ; 116.03,58.42 D131.B13 ; D131.B13 117.65,58.42 ; D131.B13 116.84,57.61 ; D131.B13 116.84,59.23 ; D127.A15 49.07,53.34 ; D127.A15 48.26,54.15 ; D127.A15 47.45,53.34 ; D127.A15 48.26,52.53 ; D130.B3 92.25,78.74 ; D130.B3 90.63,78.74 ; D130.B3 91.44,79.55 ; D130.B3 91.44,77.93 ; SITE4.G1 328.81,181.33 ; SITE4.G1 328.33,180.85 ; SITE4.G1 327.85,181.33 ; SITE4.G1 328.33,181.81 ; 265.99,86.36 D321.A14 ; D321.A14 266.7,85.65 ; D321.A14 267.41,86.36 ; D321.A14 266.7,87.07 ; D306.A15 417.27,63.5 ; D306.A15 416.56,62.79 ; D306.A15 416.56,64.21 ; D306.A15 415.85,63.5 ; 398.07,91.44 D305.B8 ; D305.B8 399.49,91.44 ; D305.B8 398.78,90.73 ; D305.B8 398.78,92.15 ; D112.A12 393.7,394.51 ; D112.A12 394.51,393.7 ; D112.A12 393.7,392.89 ; D112.A12 392.89,393.7 ; D114.B12 320.85,347.98 ; D114.B12 319.23,347.98 ; D114.B12 320.04,347.17 ; D114.B12 320.04,348.79 ; D305.B10 404.57,91.44 ; D305.B10 403.86,90.73 ; D305.B10 403.15,91.44 ; D305.B10 403.86,92.15 ; 269.24,77.93 D122.B15 ; D122.B15 270.05,78.74 ; D122.B15 269.24,79.55 ; D122.B15 268.43,78.74 ; 17.78,77.93 D126.B3 ; D126.B3 16.97,78.74 ; D126.B3 18.59,78.74 ; D126.B3 17.78,79.55 ; 109.22,75.39 D130.A10 ; D130.A10 108.41,76.2 ; D130.A10 109.22,77.01 ; D130.A10 110.03,76.2 ; D128.B15 48.26,38.91 ; D128.B15 48.26,37.29 ; D128.B15 49.07,38.1 ; D128.B15 47.45,38.1 ; 322.58,349.71 D114.B11 ; D114.B11 321.77,350.52 ; D114.B11 323.39,350.52 ; D114.B11 322.58,351.33 ; 316.69,335.28 D113.A13 ; D113.A13 317.5,336.09 ; D113.A13 318.31,335.28 ; D113.A13 317.5,334.47 ; 240.59,86.36 D321.A4 ; D321.A4 241.3,85.65 ; D321.A4 242.01,86.36 ; D321.A4 241.3,87.07 ; 393.7,347.17 D110.B12 ; D110.B12 393.7,348.79 ; D110.B12 394.51,347.98 ; D110.B12 392.89,347.98 ; 90.63,33.02 D132.A3 ; D132.A3 91.44,33.83 ; D132.A3 91.44,32.21 ; D132.A3 92.25,33.02 ; 164.29,38.1 D120.B3 ; D120.B3 165.1,38.91 ; D120.B3 165.91,38.1 ; D120.B3 165.1,37.29 ; D301.B1 308.05,88.9 ; D301.B1 306.63,88.9 ; D301.B1 307.34,88.19 ; D301.B1 307.34,89.61 ; D104.A7 322.58,33.83 ; D104.A7 323.39,33.02 ; D104.A7 322.58,32.21 ; D104.A7 321.77,33.02 ; D132.B7 101.6,38.91 ; D132.B7 100.79,38.1 ; D132.B7 102.41,38.1 ; D132.B7 101.6,37.29 ; D129.B10 109.22,102.41 ; D129.B10 109.22,100.79 ; D129.B10 110.03,101.6 ; D129.B10 108.41,101.6 ; 197.31,378.46 D431.B2 ; D431.B2 198.12,379.27 ; D431.B2 198.12,377.65 ; D431.B2 198.93,378.46 ; 171.91,332.74 CSDPS229.B12 ; CSDPS229.B12 173.53,332.74 ; CSDPS229.B12 172.72,331.93 ; CSDPS229.B12 172.72,333.55 ; D119.B13 190.5,59.23 ; D119.B13 190.5,57.61 ; D119.B13 189.69,58.42 ; D119.B13 191.31,58.42 ; D128.A3 18.59,33.02 ; D128.A3 16.97,33.02 ; D128.A3 17.78,33.83 ; D128.A3 17.78,32.21 ; 400.51,335.28 D109.A9 ; D109.A9 401.32,336.09 ; D109.A9 401.32,334.47 ; D109.A9 402.13,335.28 ; 190.5,339.55 CSDPS429.C5 ; CSDPS429.C5 189.69,340.36 ; CSDPS429.C5 191.31,340.36 ; CSDPS429.C5 190.5,341.17 ; 270.97,81.28 D122.B16 ; D122.B16 271.78,82.09 ; D122.B16 271.78,80.47 ; D122.B16 272.59,81.28 ; D302.B4 314.96,71.83 ; D302.B4 314.96,70.41 ; D302.B4 314.25,71.12 ; D302.B4 315.67,71.12 ; SITE4.G5 332.81,181.33 ; SITE4.G5 331.85,181.33 ; SITE4.G5 332.33,180.85 ; SITE4.G5 332.33,181.81 ; 327.66,370.03 D115.B9 ; D115.B9 327.66,371.65 ; D115.B9 326.85,370.84 ; D115.B9 328.47,370.84 ; 40.64,39.83 D128.B12 ; D128.B12 41.45,40.64 ; D128.B12 40.64,41.45 ; D128.B12 39.83,40.64 ; DPS2.A05 338.63,415.29 ; DPS2.A05 337.82,414.48 ; DPS2.A05 337.82,416.1 ; DPS2.A05 337.01,415.29 ; D431.A8 183.69,383.54 ; D431.A8 182.07,383.54 ; D431.A8 182.88,382.73 ; D431.A8 182.88,384.35 ; CSDPS229.B2 198.12,333.55 ; CSDPS229.B2 198.93,332.74 ; CSDPS229.B2 198.12,331.93 ; CSDPS229.B2 197.31,332.74 ; 237.95,78.74 D122.B3 ; D122.B3 239.57,78.74 ; D122.B3 238.76,77.93 ; D122.B3 238.76,79.55 ; 317.5,375.11 D115.A13 ; D115.A13 316.69,375.92 ; D115.A13 317.5,376.73 ; D115.A13 318.31,375.92 ; D110.A1 421.64,356.41 ; D110.A1 420.83,355.6 ; D110.A1 422.45,355.6 ; D110.A1 421.64,354.79 ; D301.A4 315.67,86.36 ; D301.A4 314.25,86.36 ; D301.A4 314.96,85.65 ; D301.A4 314.96,87.07 ; 329.85,241.33 SITE2.G3 ; SITE2.G3 330.81,241.33 ; SITE2.G3 330.33,240.85 ; SITE2.G3 330.33,241.81 ; D321.A13 264.16,84.53 ; D321.A13 264.87,83.82 ; D321.A13 264.16,83.11 ; D321.A13 263.45,83.82 ; 388.62,387.81 D112.B14 ; D112.B14 387.81,388.62 ; D112.B14 389.43,388.62 ; D112.B14 388.62,389.43 ; D116.A15 313.23,396.24 ; D116.A15 311.61,396.24 ; D116.A15 312.42,395.43 ; D116.A15 312.42,397.05 ; D301.A13 337.82,84.53 ; D301.A13 337.82,83.11 ; D301.A13 338.53,83.82 ; D301.A13 337.11,83.82 ; 326.85,58.42 D103.B9 ; D103.B9 327.66,57.61 ; D103.B9 328.47,58.42 ; D103.B9 327.66,59.23 ; D125.B2 16.05,101.6 ; D125.B2 15.24,102.41 ; D125.B2 15.24,100.79 ; D125.B2 14.43,101.6 ; 113.49,60.96 D131.B12 ; D131.B12 114.3,61.77 ; D131.B12 115.11,60.96 ; D131.B12 114.3,60.15 ; D114.A3 342.9,356.41 ; D114.A3 342.09,355.6 ; D114.A3 343.71,355.6 ; D114.A3 342.9,354.79 ; D108.B4 388.62,41.45 ; D108.B4 388.62,39.83 ; D108.B4 389.43,40.64 ; D108.B4 387.81,40.64 ; D118.A16 198.12,77.01 ; D118.A16 198.12,75.39 ; D118.A16 197.31,76.2 ; D118.A16 198.93,76.2 ; 270.97,332.74 CSDPS225.B2 ; CSDPS225.B2 271.78,331.93 ; CSDPS225.B2 271.78,333.55 ; CSDPS225.B2 272.59,332.74 ; D103.B8 325.93,60.96 ; D103.B8 324.31,60.96 ; D103.B8 325.12,61.77 ; D103.B8 325.12,60.15 ; D106.B4 388.62,82.09 ; D106.B4 387.81,81.28 ; D106.B4 389.43,81.28 ; D106.B4 388.62,80.47 ; 232.87,19.05 DPS3.C01 ; DPS3.C01 233.68,19.86 ; DPS3.C01 234.49,19.05 ; DPS3.C01 233.68,18.24 ; DPS8.C11 175.26,411.02 ; DPS8.C11 176.07,410.21 ; DPS8.C11 174.45,410.21 ; DPS8.C11 175.26,409.4 ; D122.B12 261.62,82.09 ; D122.B12 262.43,81.28 ; D122.B12 260.81,81.28 ; D122.B12 261.62,80.47 ; 381,32.21 D108.A1 ; D108.A1 380.19,33.02 ; D108.A1 381.81,33.02 ; D108.A1 381,33.83 ; D231.A12 172.72,374.19 ; D231.A12 171.91,373.38 ; D231.A12 172.72,372.57 ; D231.A12 173.53,373.38 ; D231.B12 173.53,368.3 ; D231.B12 172.72,369.11 ; D231.B12 172.72,367.49 ; D231.B12 171.91,368.3 ; 387.81,393.7 D112.A14 ; D112.A14 389.43,393.7 ; D112.A14 388.62,394.51 ; D112.A14 388.62,392.89 ; 398.78,331.93 D109.A10 ; D109.A10 397.97,332.74 ; D109.A10 398.78,333.55 ; D109.A10 399.59,332.74 ; SITE2.G7 328.33,248.41 ; SITE2.G7 328.81,247.93 ; SITE2.G7 327.85,247.93 ; SITE2.G7 328.33,247.45 ; 35.56,60.15 D127.B10 ; D127.B10 34.75,60.96 ; D127.B10 36.37,60.96 ; D127.B10 35.56,61.77 ; 174.45,370.84 D231.B11 ; D231.B11 176.07,370.84 ; D231.B11 175.26,370.03 ; D231.B11 175.26,371.65 ; 11.89,93.98 D125.A1 ; D125.A1 12.7,94.79 ; D125.A1 12.7,93.17 ; D125.A1 13.51,93.98 ; D301.B6 320.75,91.44 ; D301.B6 319.33,91.44 ; D301.B6 320.04,92.15 ; D301.B6 320.04,90.73 ; D107.A11 407.21,53.34 ; D107.A11 405.59,53.34 ; D107.A11 406.4,52.53 ; D107.A11 406.4,54.15 ; 326.85,350.52 D114.B9 ; D114.B9 328.47,350.52 ; D114.B9 327.66,349.71 ; D114.B9 327.66,351.33 ; D306.B6 393.7,71.83 ; D306.B6 392.99,71.12 ; D306.B6 394.41,71.12 ; D306.B6 393.7,70.41 ; D306.A14 414.73,66.04 ; D306.A14 413.31,66.04 ; D306.A14 414.02,65.33 ; D306.A14 414.02,66.75 ; D116.B2 346.25,388.62 ; D116.B2 344.63,388.62 ; D116.B2 345.44,387.81 ; D116.B2 345.44,389.43 ; D103.A2 310.69,55.88 ; D103.A2 309.88,55.07 ; D103.A2 309.88,56.69 ; D103.A2 309.07,55.88 ; D127.A2 16.05,55.88 ; D127.A2 15.24,55.07 ; D127.A2 14.43,55.88 ; D127.A2 15.24,56.69 ; 401.32,72.85 D106.A9 ; D106.A9 401.32,74.47 ; D106.A9 400.51,73.66 ; D106.A9 402.13,73.66 ; D131.A5 97.33,53.34 ; D131.A5 95.71,53.34 ; D131.A5 96.52,54.15 ; D131.A5 96.52,52.53 ; D305.B14 414.73,91.44 ; D305.B14 414.02,90.73 ; D305.B14 414.02,92.15 ; D305.B14 413.31,91.44 ; 268.43,33.02 D124.A15 ; D124.A15 269.24,32.21 ; D124.A15 270.05,33.02 ; D124.A15 269.24,33.83 ; D130.A6 99.87,76.2 ; D130.A6 98.25,76.2 ; D130.A6 99.06,75.39 ; D130.A6 99.06,77.01 ; 121.92,57.61 D131.B15 ; D131.B15 121.92,59.23 ; D131.B15 121.11,58.42 ; D131.B15 122.73,58.42 ; 255.73,40.64 D124.B10 ; D124.B10 257.35,40.64 ; D124.B10 256.54,39.83 ; D124.B10 256.54,41.45 ; D129.A1 86.36,94.79 ; D129.A1 85.55,93.98 ; D129.A1 86.36,93.17 ; D129.A1 87.17,93.98 ; 159.31,88.9 D317.B1 ; D317.B1 160.73,88.9 ; D317.B1 160.02,89.61 ; D317.B1 160.02,88.19 ; D302.B6 320.75,71.12 ; D302.B6 320.04,70.41 ; D302.B6 319.33,71.12 ; D302.B6 320.04,71.83 ; D120.A1 160.02,33.83 ; D120.A1 160.02,32.21 ; D120.A1 160.83,33.02 ; D120.A1 159.21,33.02 ; 321.77,53.34 D103.A7 ; D103.A7 322.58,52.53 ; D103.A7 322.58,54.15 ; D103.A7 323.39,53.34 ; 268.43,73.66 D122.A15 ; D122.A15 269.24,72.85 ; D122.A15 270.05,73.66 ; D122.A15 269.24,74.47 ; D115.B12 320.04,369.11 ; D115.B12 320.04,367.49 ; D115.B12 319.23,368.3 ; D115.B12 320.85,368.3 ; 347.17,396.24 D116.A1 ; D116.A1 347.98,397.05 ; D116.A1 348.79,396.24 ; D116.A1 347.98,395.43 ; SITE1.G6 253.33,241.81 ; SITE1.G6 252.85,241.33 ; SITE1.G6 253.33,240.85 ; SITE1.G6 253.81,241.33 ; D109.B1 422.45,330.2 ; D109.B1 421.64,329.39 ; D109.B1 421.64,331.01 ; D109.B1 420.83,330.2 ; 189.69,370.84 D231.B5 ; D231.B5 190.5,370.03 ; D231.B5 190.5,371.65 ; D231.B5 191.31,370.84 ; D102.A4 314.96,77.01 ; D102.A4 315.77,76.2 ; D102.A4 314.96,75.39 ; D102.A4 314.15,76.2 ; D231.B14 167.64,369.11 ; D231.B14 167.64,367.49 ; D231.B14 168.45,368.3 ; D231.B14 166.83,368.3 ; 88.9,55.07 D131.A2 ; D131.A2 88.09,55.88 ; D131.A2 88.9,56.69 ; D131.A2 89.71,55.88 ; D115.A7 332.74,376.73 ; D115.A7 333.55,375.92 ; D115.A7 331.93,375.92 ; D115.A7 332.74,375.11 ; 314.15,40.64 D104.B4 ; D104.B4 314.96,41.45 ; D104.B4 315.77,40.64 ; D104.B4 314.96,39.83 ; 325.12,90.73 D301.B8 ; D301.B8 325.83,91.44 ; D301.B8 325.12,92.15 ; D301.B8 324.41,91.44 ; D302.B3 312.42,69.29 ; D302.B3 312.42,67.87 ; D302.B3 311.71,68.58 ; D302.B3 313.13,68.58 ; 165.1,62.79 D318.A3 ; D318.A3 164.39,63.5 ; D318.A3 165.1,64.21 ; D318.A3 165.81,63.5 ; 167.64,85.65 D317.A4 ; D317.A4 167.64,87.07 ; D317.A4 168.35,86.36 ; D317.A4 166.93,86.36 ; D322.A16 272.49,66.04 ; D322.A16 271.07,66.04 ; D322.A16 271.78,65.33 ; D322.A16 271.78,66.75 ; D129.B8 104.14,102.41 ; D129.B8 104.95,101.6 ; D129.B8 103.33,101.6 ; D129.B8 104.14,100.79 ; D126.A7 27.94,74.47 ; D126.A7 27.94,72.85 ; D126.A7 27.13,73.66 ; D126.A7 28.75,73.66 ; SITE4.G6 333.33,181.81 ; SITE4.G6 333.33,180.85 ; SITE4.G6 332.85,181.33 ; SITE4.G6 333.81,181.33 ; 167.64,342.09 CSDPS429.B14 ; CSDPS429.B14 167.64,343.71 ; CSDPS429.B14 168.45,342.9 ; CSDPS429.B14 166.83,342.9 ; D118.A3 165.1,74.47 ; D118.A3 164.29,73.66 ; D118.A3 165.1,72.85 ; D118.A3 165.91,73.66 ; D102.A1 307.34,74.47 ; D102.A1 308.15,73.66 ; D102.A1 307.34,72.85 ; D102.A1 306.53,73.66 ; 414.02,39.83 D108.B14 ; D108.B14 413.21,40.64 ; D108.B14 414.83,40.64 ; D108.B14 414.02,41.45 ; SITE2.G2 329.81,241.33 ; SITE2.G2 329.33,241.81 ; SITE2.G2 329.33,240.85 ; SITE2.G2 328.85,241.33 ; D112.B5 412.29,391.16 ; D112.B5 411.48,390.35 ; D112.B5 411.48,391.97 ; D112.B5 410.67,391.16 ; 335.28,34.75 D104.A12 ; D104.A12 336.09,35.56 ; D104.A12 334.47,35.56 ; D104.A12 335.28,36.37 ; 408.94,372.57 D111.A6 ; D111.A6 409.75,373.38 ; D111.A6 408.94,374.19 ; D111.A6 408.13,373.38 ; 414.02,372.57 D111.A4 ; D111.A4 414.02,374.19 ; D111.A4 413.21,373.38 ; D111.A4 414.83,373.38 ; D114.A7 332.74,356.41 ; D114.A7 333.55,355.6 ; D114.A7 332.74,354.79 ; D114.A7 331.93,355.6 ; D113.A12 320.04,333.55 ; D113.A12 319.23,332.74 ; D113.A12 320.04,331.93 ; D113.A12 320.85,332.74 ; D306.B13 411.48,69.29 ; D306.B13 411.48,67.87 ; D306.B13 412.19,68.58 ; D306.B13 410.77,68.58 ; 382.83,66.04 D306.A2 ; D306.A2 384.25,66.04 ; D306.A2 383.54,66.75 ; D306.A2 383.54,65.33 ; 50.8,39.83 D128.B16 ; D128.B16 50.8,41.45 ; D128.B16 49.99,40.64 ; D128.B16 51.61,40.64 ; D124.A3 238.76,33.83 ; D124.A3 238.76,32.21 ; D124.A3 237.95,33.02 ; D124.A3 239.57,33.02 ; 381,72.85 D106.A1 ; D106.A1 380.19,73.66 ; D106.A1 381,74.47 ; D106.A1 381.81,73.66 ; 396.24,67.87 D306.B7 ; D306.B7 395.53,68.58 ; D306.B7 396.24,69.29 ; D306.B7 396.95,68.58 ; 121.92,37.29 D132.B15 ; D132.B15 122.73,38.1 ; D132.B15 121.92,38.91 ; D132.B15 121.11,38.1 ; 259.08,57.61 D123.B11 ; D123.B11 259.08,59.23 ; D123.B11 258.27,58.42 ; D123.B11 259.89,58.42 ; U1.4 97.98,205.54 ; U1.4 96.1,205.54 ; U1.4 97.04,206.48 ; U1.4 97.04,204.6 ; D106.A6 394.51,76.2 ; D106.A6 393.7,77.01 ; D106.A6 393.7,75.39 ; D106.A6 392.89,76.2 ; U2.4 97.14,220.09 ; U2.4 98.08,219.15 ; U2.4 96.2,219.15 ; U2.4 97.14,218.21 ; D108.A5 391.16,33.83 ; D108.A5 391.16,32.21 ; D108.A5 390.35,33.02 ; D108.A5 391.97,33.02 ; D111.B7 407.21,370.84 ; D111.B7 405.59,370.84 ; D111.B7 406.4,370.03 ; D111.B7 406.4,371.65 ; 396.24,349.71 D110.B11 ; D110.B11 396.24,351.33 ; D110.B11 397.05,350.52 ; D110.B11 395.43,350.52 ; 248.11,38.1 D124.B7 ; D124.B7 249.73,38.1 ; D124.B7 248.92,38.91 ; D124.B7 248.92,37.29 ; CSDPS225.B14 241.3,333.55 ; CSDPS225.B14 241.3,331.93 ; CSDPS225.B14 242.11,332.74 ; CSDPS225.B14 240.49,332.74 ; 160.02,67.87 D318.B1 ; D318.B1 159.31,68.58 ; D318.B1 160.02,69.29 ; D318.B1 160.73,68.58 ; D318.B12 188.67,71.12 ; D318.B12 187.96,71.83 ; D318.B12 187.96,70.41 ; D318.B12 187.25,71.12 ; 383.54,387.81 D112.B16 ; D112.B16 384.35,388.62 ; D112.B16 382.73,388.62 ; D112.B16 383.54,389.43 ; 50.8,60.15 D127.B16 ; D127.B16 51.61,60.96 ; D127.B16 50.8,61.77 ; D127.B16 49.99,60.96 ; 179.53,33.02 D120.A9 ; D120.A9 180.34,32.21 ; D120.A9 181.15,33.02 ; D120.A9 180.34,33.83 ; 385.27,58.42 D107.B3 ; D107.B3 386.08,57.61 ; D107.B3 386.89,58.42 ; D107.B3 386.08,59.23 ; D302.A8 325.83,66.04 ; D302.A8 325.12,65.33 ; D302.A8 325.12,66.75 ; D302.A8 324.41,66.04 ; D129.A11 112.57,93.98 ; D129.A11 111.76,94.79 ; D129.A11 111.76,93.17 ; D129.A11 110.95,93.98 ; D115.A16 309.88,374.19 ; D115.A16 309.07,373.38 ; D115.A16 309.88,372.57 ; D115.A16 310.69,373.38 ; D123.B12 261.62,61.77 ; D123.B12 260.81,60.96 ; D123.B12 261.62,60.15 ; D123.B12 262.43,60.96 ; 400.51,33.02 D108.A9 ; D108.A9 401.32,33.83 ; D108.A9 401.32,32.21 ; D108.A9 402.13,33.02 ; 184.61,375.92 D231.A7 ; D231.A7 185.42,376.73 ; D231.A7 186.23,375.92 ; D231.A7 185.42,375.11 ; 177.09,66.04 D318.A8 ; D318.A8 178.51,66.04 ; D318.A8 177.8,66.75 ; D318.A8 177.8,65.33 ; 171.91,383.54 D431.A12 ; D431.A12 173.53,383.54 ; D431.A12 172.72,382.73 ; D431.A12 172.72,384.35 ; D119.A8 177.8,56.69 ; D119.A8 178.61,55.88 ; D119.A8 176.99,55.88 ; D119.A8 177.8,55.07 ; 121.11,53.34 D131.A15 ; D131.A15 121.92,52.53 ; D131.A15 122.73,53.34 ; D131.A15 121.92,54.15 ; 518.92,202.51 S4_I2C.4 ; S4_I2C.4 518.92,204.39 ; S4_I2C.4 517.98,203.45 ; S4_I2C.4 519.86,203.45 ; 104.14,34.75 D132.A8 ; D132.A8 104.95,35.56 ; D132.A8 